# Altium PCB carrier_bak.PcbDoc (part 3 of 5) (continued)
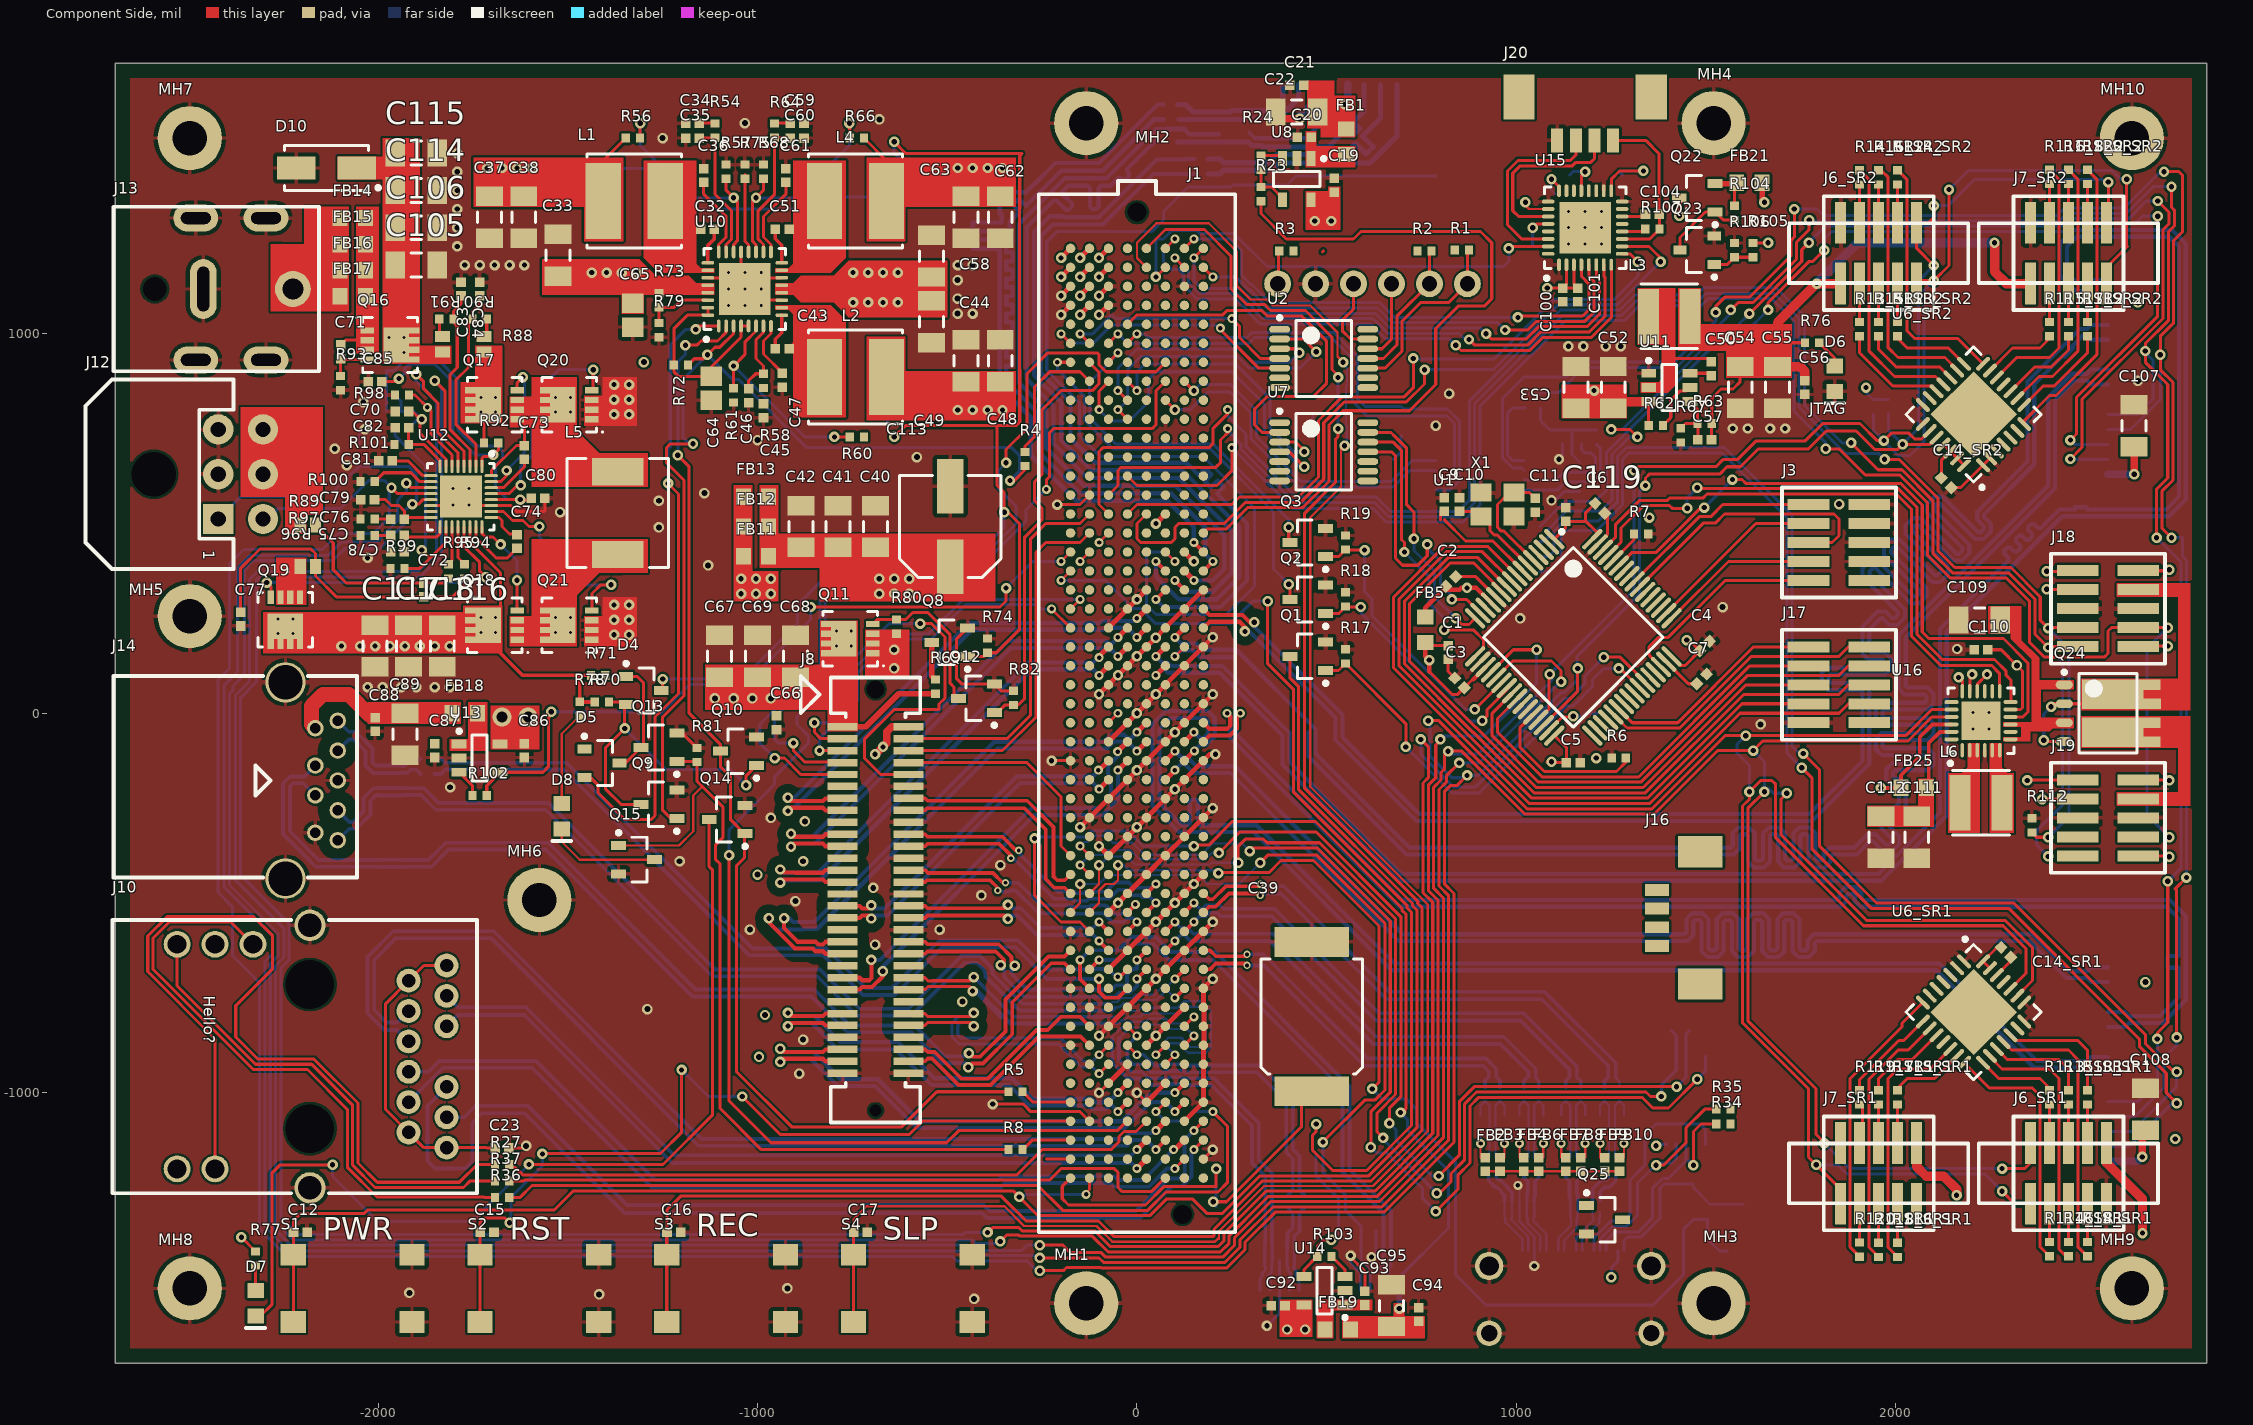
[diagram p0: Component Side view]
## Nets (pads, with @x,y where several pads share a name; then routed paths per layer and width w, separated by ;. In a path a pad name is that pad's centre, name@x,y a point inside that pad or via, vN(x,y) a via of type N, cw(c..) or ccw(c..) an arc to the next point about the centre after c; other vN are vias at no path point) (continued)
MDI0_N: J1.E49 J10.10 | length 2034.6
  Component Side w13.4: v2(-0.22,-1199.78) 0.22,-1199.78 J1.E49@25,-1175
  Solder Side w10: J10.10@-1819.53,-824.79 -1790.03,-795.29 -1614.71,-795.29 -1224.5,-1185.5 -14.5,-1185.5 v2(-0.22,-1199.78)
MDI0_P: J1.E48 J10.11 | length 2035
  Component Side w13.4: v2(0,-1150) J1.E48@25,-1125
  Solder Side w10: J10.11@-1819.53,-744.79 -1789.73,-774.59 -1609.96,-774.59 -1219.74,-1164.8 -14.8,-1164.8 v2(0,-1150)
MDI1_N: J1.F48 J10.5 | length 2611
  Component Side w10: v2(49.78,-1149.78) 50.22,-1149.78 J1.F48@75,-1125
  Solder Side w10: J10.5@-1919.53,-784.79 -1949.53,-814.79 -1977.46,-814.79 -2010,-782.24 -2010,-650 -1952.73,-592.73 -1702.73,-592.73 -1155.46,-1140 -25.75,-1140 -10.47,-1124.72 24.72,-1124.72 v2(49.78,-1149.78)
MDI1_P: J1.F47 J10.4 | length 2664
  Component Side w14: v2(50,-1100) J1.F47@75,-1075
  Solder Side w10: J10.4@-1919.53,-864.79 -1949.53,-834.79 -1982.91,-834.79 -2028,-789.7 -2028,-642.54 -1960.18,-574.73 -1695.27,-574.73 -1148,-1122 -33.21,-1122 -17.93,-1106.72 43.28,-1106.72 v2(50,-1100)
MDI2_N: J1.G49 J10.2 | length 2252.3
  Component Side w8: v2(100,-1200) J1.G49@125,-1175
  Solder Side w10: J10.2@-1919.53,-1024.79 -1919.53,-1024.69 -1828.98,-934.14 -1594.14,-934.14 -1278.28,-1250 -360,-1250 -348,-1238 -69.46,-1238 -59.46,-1248 31.53,-1248 79.53,-1200 v2(100,-1200)
MDI2_P: J1.G48 J10.3 | length 2238.2
  Component Side w14: v2(96.44,-1150) 100,-1150 J1.G48@125,-1125
  Solder Side w10: J10.3@-1919.53,-944.79 -1867.2,-944.79 -1838.56,-916.14 -1583.86,-916.14 -1270,-1230 -365.46,-1230 -355.46,-1220 -60,-1220 -50,-1230 16.44,-1230 v2(96.44,-1150)
MDI3_N: J1.H48 J10.9 | length 2626.9
  Component Side w8: v2(150,-1150) J1.H48@175,-1125
  Solder Side w10: J10.9@-1819.53,-984.79 -1870,-1035.26 -1870,-1180 -1850,-1200 -1770.87,-1200 -1751.97,-1181.1 -1751.97,-1079.42 -1726.69,-1054.14 -1614.14,-1054.14 -1350.97,-1317.31 -408.14,-1317.31 -395.46,-1330 8.58,-1330 92.3,-1246.28 119.17,-1246.28 143.85,-1221.6 143.85,-1156.15 v2(150,-1150)
MDI3_P: J1.H47 J10.8 | length 2272.1
  Component Side w8: v2(150,-1100) J1.H47@175,-1075
  Solder Side w10: J10.8@-1819.53,-1064.79 -1773.07,-1064.79 -1742.43,-1034.14 -1605.86,-1034.14 -1344.14,-1295.86 -404.14,-1295.86 -388,-1312 -2.94,-1312 82.78,-1226.28 110.89,-1226.28 125.85,-1211.31 125.85,-1160.94 125.19,-1160.28 125.19,-1124.81 v2(150,-1100)
NetC2_1: C2.1 FB5.2 U1.13 | length 234.8
  Component Side w12: FB5.2@760,253.46 760,277.79 807.98,325.78 850,325.78 854.4,330.18 v1(869.82,330.18) 894.54,330.18 U1.13@932.86,291.87
NetC7_1: C7.1 U1.47 | length 104.5
  Component Side w8: U1.47@1394.98,135.97 1453.21,77.75 C7.1@1475.38,77.75
NetC8_1: C8.1 U1.31 | length 144.9
  Component Side w8: U1.31@1085.97,-44.98 1121.11,-9.84 1147.64,-9.84 v1(1149.61,-7.87)
  Solder Side w8: v1(1149.61,-7.87) 1173.23,-7.87 1181.1,0 C8.1@1212.2,0
NetC9_1: C9.1 U1.7 | length 284
  Component Side w8: 800,510 C9.1@800,531.89 ; 810,510 866,454 937.76,454 U1.7@1016.37,375.38
NetC10_1: C10.1 U1.6 X1.1 | length 239.1
  Component Side w8: C10.1@850,531.89 893.31,531.89 X1.1@906.69,518.5 930,495.2 930,481.56 941.56,470 949.8,470 U1.6@1024.49,395.3
NetC11_1: C11.1 U1.5 X1.3 | length 309.5
  Component Side w8: U1.5@1044.21,403.22 967.44,480 960,480 950,490 950,550 981.5,581.5 X1.3@993.31,581.5 1034.72,581.5 C11.1@1050,566.22
NetC12_2: C12.2 J1.B50 Q1.D S1.1 | length 5032.5
  Component Side w8: S1.1@-2223.43,-1604.33 S1.1@-2223.43,-1427.17 -2223.43,-1368.7 C12.2@-2222.83,-1368.11 -2222.83,-1337.01 -2204.72,-1318.9 -2037.4,-1318.9 -2027.56,-1309.06 -1535.43,-1309.06 -1484.92,-1258.54 -326.11,-1258.54 v1(-310,-1274.65) -260.65,-1324 33.88,-1324 78.35,-1279.53 145.67,-1279.53 185.04,-1318.9 224.33,-1318.9 324.27,-1218.96 611.06,-1218.96 737.54,-1092.48 737.54,-518.75 726,-507.21 726,-501.38 426,-201.38 426,70.06 402.76,93.31 Q1.D@402.76,150 ; v2(-133.86,-1267.72) -137.72,-1267.72 -125,-1255 J1.B50@-125,-1225
  Solder Side w8: v1(-310,-1274.65) -304.65,-1280 -292.36,-1267.72 v2(-133.86,-1267.72)
NetC15_2: C15.2 J1.A47 S2.1 | length 2231.7
  Component Side w8: S2.1@-1731.3,-1604.33 S2.1@-1731.3,-1427.17 C15.2@-1731.3,-1368.11 ; C15.2@-1730.71,-1368.11 -1730.71,-1340.71 -1720.71,-1330.71 -1665.35,-1330.71 v1(-1653.54,-1342.52) ; v1(-1566.93,-1161.42) -1565.51,-1160 -1255.46,-1160 -1200,-1104.54 v1(-1200,-940) ; v1(-1040,-1010) -940,-1110 -600,-1110 -565,-1075 J1.A47@-175,-1075
  Solder Side w8: v1(-1653.54,-1342.52) -1649.61,-1338.58 -1649.61,-1275.59 -1566.93,-1192.91 v1(-1566.93,-1161.42) ; v1(-1200,-940) -1130,-1010 v1(-1040,-1010)
NetC16_2: C16.2 J1.E1 S3.1 | length 5411.1
  Component Side w8: S3.1@-1239.17,-1604.33 S3.1@-1239.17,-1427.17 C16.2@-1239.17,-1368.11 ; C16.2@-1238.58,-1368.11 -1238.58,-1308.58 -1202.54,-1272.54 -357.46,-1272.54 -292,-1338 -101.16,-1338 -59.73,-1379.43 200.57,-1379.43 202.97,-1377.03 202.97,-1360.06 330.07,-1232.96 616.86,-1232.96 751.54,-1098.28 751.54,-512.95 740,-501.41 740,-495.58 440.94,-196.52 440.94,525.94 523.46,608.46 523.46,722.45 530,728.98 v1(530,750) ; J1.E1@25,1225 75,1275 177.76,1275 248.03,1204.72 248.03,1118.11 289.15,1076.99 336.39,1076.99 352.14,1061.24 443.99,1061.24 514,991.23 514,906 530,890 v1(530,885)
  Solder Side w8: v1(530,750) v1(530,885)
NetC17_2: C17.2 J1.E2 S4.1 | length 5064
  Component Side w6: C17.2@-746.46,-1368.11 -746.46,-1333.07 -712.6,-1299.21 -349.17,-1299.21 -297.38,-1351 -106.55,-1351 -65.11,-1392.43 205.95,-1392.43 213.14,-1385.24 215.97,-1385.24 215.97,-1365.44 335.45,-1245.96 622.25,-1245.96 766.54,-1101.67 766.54,-503.74 456.69,-193.89 456.69,515.75 538,597.06 538,703.35 539.37,704.72 v1(547.24,704.72) ; J1.E2@25,1175 0,1200 0,1240.16 51.18,1291.34 188.98,1291.34 263.78,1216.54 263.78,1125.98 299.21,1090.55 342.52,1090.55 358.27,1074.8 456.69,1074.8 528.34,1003.16 528.34,940.17 v1(543.31,925.2)
  Component Side w8: S4.1@-747.05,-1604.33 S4.1@-747.05,-1427.17 -747.05,-1368.7 C17.2@-746.46,-1368.11
  Solder Side w6: v1(543.31,925.2) 537.96,925.2 553.71,909.45 553.71,864.73 551.18,862.2 551.18,761.03 552.78,759.44 552.78,710.26 v1(547.24,704.72)
NetC20_2: C20.2 FB1.1 U8.1
NetC21_2: C21.2 C22.2 FB1.2 J9.4 | length 135.5
  Component Side w8: C22.2@476.38,1584.65 496.06,1604.33 v1(547.24,1604.33)
  Solder Side w20: v1(547.24,1604.33) 555.31,1612.4 J9.4@555.31,1657.48
NetC23_2: C23.2 J10.1 J10.6 J10.7 J10.12 | length 811.8
  Component Side w8: J10.12@-1819.53,-664.79 -1879.53,-664.79 J10.6@-1919.53,-704.79 -1980,-765.26 -1980,-1044.31 J10.1@-1919.53,-1104.79 -1879.53,-1144.79 J10.7@-1819.53,-1144.79 -1714.08,-1144.79 -1713.2,-1145.67 C23.2@-1691.34,-1145.67
NetC32_1: C32.1 L1.1 U10.26 | length 9.3
  Component Side w10: L1.1@-1243.11,1341.14 L1.1@-1243.11,1350.39
NetC32_2: C32.2 U10.25 | length 95.7
  Component Side w10: U10.25@-1130.91,1187.01 -1130.91,1233.27 -1113.78,1250.39 C32.2@-1113.78,1275.59
NetC34_2: C34.2 R54.1 | length 41.4
  Component Side w8: C34.2@-1153.15,1555.12 -1113.19,1555.12 R54.1@-1112.2,1554.13
NetC35_2: C35.2 R54.2 U10.23 | length 366.4
  Component Side w8: C35.2@-1153.15,1515.75 -1113.19,1515.75 R54.2@-1112.2,1516.73 -1112.2,1368.11 -1068.68,1324.58 -1068.68,1249.12 -1082.68,1235.12 U10.23@-1082.68,1215.55
NetC36_2: C36.2 U10.24 | length 216.3
  Component Side w8: C36.2@-1141.73,1399.21 -1141.73,1368.11 -1082.68,1309.06 -1082.68,1254.92 -1102.36,1235.24 U10.24@-1102.36,1215.55
NetC43_1: C43.1 L2.1 U10.10 | length 143.8
  Component Side w10: U10.10@-936.02,1068.9 -913.39,1068.9 -899.61,1055.12 -899.61,977.95 C43.1@-916.93,960.63
NetC43_2: C43.2 U10.9 | length 95.7
  Component Side w10: C43.2@-953.15,960.63 -953.15,985.83 -936.02,1002.95 U10.9@-936.02,1049.21
NetC45_2: C45.2 R58.1
NetC46_2: C46.2 R58.2 U10.7 | length 210.7
  Component Side w8: C46.2@-1023.62,854.72 -1023.62,875.98 -1004.92,894.69 R58.2@-984.25,894.69 -984.25,915.35 -1003.94,935.04 -1003.94,984.25 -984.25,1003.94 U10.7@-984.25,1020.67
NetC47_2: C47.2 U10.8 | length 153.5
  Component Side w8: U10.8@-964.57,1020.67 -964.57,1000.98 -984.25,981.3 -984.25,946.54 -935.04,897.32 C47.2@-935.04,895.67
NetC50_1: C50.1 L3.1 U11.2 | length 246.7
  Component Side w8: U11.2@1348.7,858.66 1350.67,856.69 1400.87,856.69 1402.83,858.66 1402.83,935.43 1503.62,935.43 C50.1@1513.07,925.98
NetC50_2: C50.2 U11.6 | length 58.7
  Component Side w8: U11.6@1456.97,896.06 1506.77,896.06 C50.2@1513.07,889.76
NetC51_1: C51.1 L4.1 U10.15
NetC51_2: C51.2 U10.16 | length 95.7
  Component Side w10: C51.2@-953.15,1275.59 -953.15,1250.39 -936.02,1233.27 U10.16@-936.02,1187.01
NetC57_2: C57.2 R63.1 R67.2 U11.4 | length 159.1
  Component Side w8: R67.2@1433.07,750.98 1445.87,763.78 R63.1@1477.36,763.78 ; U11.4@1456.97,821.26 1477.36,800.87 R63.1@1477.36,763.78 ; C57.2@1477.95,720.47 1477.95,763.19 R63.1@1477.36,763.78
NetC59_2: C59.2 R64.1 | length 41.4
  Component Side w8: R64.1@-954.72,1554.13 -953.74,1555.12 C59.2@-913.78,1555.12
NetC60_2: C60.2 R64.2 U10.18 | length 366.4
  Component Side w8: U10.18@-984.25,1215.55 -984.25,1235.12 -998.25,1249.12 -998.25,1324.58 -954.72,1368.11 R64.2@-954.72,1516.73 -914.76,1516.73 C60.2@-913.78,1515.75
NetC61_2: C61.2 U10.17 | length 216.3
  Component Side w8: U10.17@-964.57,1215.55 -964.57,1235.24 -984.25,1254.92 -984.25,1309.06 -925.2,1368.11 C61.2@-925.2,1399.21
NetC64_2: C64.2 R72.1 U10.4 U10.5 U10.31 U10.32 | length 526.3
  Component Side w8: U10.31@-1130.91,1068.9 U10.32@-1130.91,1049.21 -1185.04,1049.21 -1220.57,1013.69 R72.1@-1220.57,917.48 -1220.57,900.33 -1208.03,887.8 C64.2@-1122.05,887.8 -1122.05,912.4 -1043.31,991.14 U10.4@-1043.31,1020.67 U10.5@-1023.62,1020.67
NetC70_2: C70.2 R85.1 R86.1 R87.2 U12.7 | length 352.3
  Component Side w8: C70.2@-1918.9,795.28 -1909.06,795.28 v1@-1889.76,775.98 ; v1(-1885,775) -1888.78,775 v1@-1889.76,775.98 ; U12.7@-1820.87,650.59 -1820.87,669.41 -1874.12,722.66 -1874.24,722.66 -1889.76,738.19 v1@-1889.76,775.98
  Solder Side w8: R85.1@-1955.71,838.58 -1939.96,822.83 R87.2@-1939.96,795.28 -1918.31,795.28 -1905.28,795.28 v1(-1885,775) -1895.28,775 R86.1@-1918.31,751.97
NetC71_1: C71.1 Q16.G R93.2 | length 117.2
  Component Side w8: R93.2@-2098.43,888.78 C71.1@-2098.43,934.65 -2095.87,932.09 Q16.G@-2028.15,932.09
NetC72_1: C72.1 R89.S2 R95.2 | length 459.9
  Component Side w8: R89.S2@-2164.96,495.63 -2118.11,448.78 -2118.11,377.95 -2083.07,342.91 C72.1@-1879.92,342.91 -1827.36,342.91 R95.2@-1814.96,355.31
NetC72_2: C72.2 C77.1 R89.S1 R94.2 | length 844.4
  Component Side w8: C77.1@-2362.2,266.14 -2362.2,381.89 -2311.02,433.07 -2177.17,433.07 -2164.96,420.87 R89.S1@-2164.96,386.26 -2164.96,361.81 -2109.84,306.69 C72.2@-1879.92,306.69 -1803.54,306.69 -1771.65,338.58 R94.2@-1771.65,355.31
NetC73_1: C73.1 U12.30 | length 126.6
  Component Side w8: U12.30@-1701.77,594.49 -1669.29,594.49 -1614.17,649.61 C73.1@-1614.17,665.75
NetC74_1: C74.1 U12.25 | length 97.9
  Component Side w8: U12.25@-1701.77,515.75 -1681.1,515.75 -1673.23,507.87 -1673.23,492.13 -1653.54,472.44 -1640.75,472.44 C74.1@-1633.86,479.33
NetC75_1: C75.1 C78.1 U12.17 | length 158.6
  Component Side w8: C78.1@-1930.71,425.2 C75.1@-1930.71,465 ; C75.1@-1930.71,468.5 C75.1@-1930.71,465 ; U12.17@-1836.61,491.14 -1836.61,473.39 -1845,465 C75.1@-1930.71,465
NetC75_2: C75.2 R96.2 | length 41.9
  Component Side w8: R96.2@-2008.86,468.5 C75.2@-1966.93,468.5
NetC76_1: C76.1 C79.1 U12.16 | length 183.5
  Component Side w8: C79.1@-2009.45,562.99 -1980.31,562.99 -1964.57,547.24 -1944.88,547.24 -1930.71,533.07 C76.1@-1930.71,511.81 -1926.77,515.75 U12.16@-1861.22,515.75
NetC76_2: C76.2 R97.2 | length 41.9
  Component Side w8: R97.2@-2008.86,511.81 C76.2@-1966.93,511.81
NetC80_1: C80.1 R87.1 U12.28 | length 877.2
  Component Side w8: U12.28@-1701.77,562.99 v1(-1625,562.99) -1613.19,562.99 -1611.22,561.02
  Solder Side w8: R87.1@-1977.36,795.28 -1977.36,902.64 -1957.76,902.64 -1929.46,930.94 -1923.87,930.94 -1920.81,934 -1844.2,934 -1789.15,878.95 -1789.15,745.96 -1748.08,704.88 -1686.02,704.88 -1672.09,690.95 -1672.09,671.25 -1690,653.34 -1690,595.02 -1657.97,562.99 v1(-1625,562.99)
NetC81_2: C81.2 U12.9 | length 117.3
  Component Side w8: C81.2@-1962.2,665.35 -1921.26,665.35 -1881.89,625.98 U12.9@-1861.22,625.98
NetC82_2: C82.2 R101.2 U12.8 | length 158.7
  Component Side w8: C82.2@-1919.29,751.97 R101.2@-1919.29,708.66 -1879.92,708.66 -1836.61,665.35 U12.8@-1836.61,650.59
NetC83_2: C83.2 R90.1 U12.3 | length 491
  Component Side w8: C83.2@-1781.5,1100 -1781.5,1078.74 -1801.18,1059.06 R90.1@-1801.18,1039.37 -1801.18,1029.53 -1791.34,1019.68 -1791.34,911.42 -1810,892.76 -1810,747.01 -1757.87,694.88 U12.3@-1757.87,650.59
NetC84_2: C84.2 R91.1 U12.2 | length 497.9
  Component Side w8: U12.2@-1742.13,650.59 -1742.13,708.66 -1795,761.54 -1795,878.23 -1761.81,911.42 -1761.81,1029.53 -1751.97,1039.37 R91.1@-1750.98,1039.37 -1750.98,1060.04 -1732.28,1078.74 C84.2@-1732.28,1100
NetC85_2: C85.2 R92.1 U12.1 | length 589.6
  Component Side w8: C85.2@-1989.76,874.02 -1952.76,874.02 v1(-1944.88,881.89) ; U12.1@-1726.38,650.59 -1726.38,671.26 -1720.47,677.17 -1699.8,677.17 v1(-1695.87,681.1) -1683.07,693.9 R92.1@-1683.07,712.6
  Solder Side w8: v1(-1944.88,881.89) -1929.13,897.64 -1929.13,909.45 -1921.64,916.94 -1918.07,916.94 -1915.01,920 -1850,920 -1803.15,873.15 -1803.15,740.16 -1743.11,680.12 -1696.85,680.12 v1(-1695.87,681.1)
NetC87_2: C87.2 FB18.1 U13.1
NetC88_2: C88.2 C89.2 FB18.2 J14.1 | length 263.5
  Component Side w39.37: J14.1@-2165.35,-39.37 -2175.2,-29.53 -2175.2,19.68 -2145.67,49.21 -2076.77,49.21 -2021.65,-5.91 C88.2@-2009.84,-5.91
NetC93_2: C93.2 FB19.1 U14.1
NetC94_2: C94.2 C95.2 FB19.2 J1.B37 J15.1 | length 2628
  Component Side w8: v1(-270,-330) -270,-480 -200,-550 -150,-550 J1.B37@-125,-575 ; v1(150,-350) 152.5,-347.5 188.92,-347.5 250.98,-285.43 470.46,-285.43 698,-512.98 698,-518.8 709.54,-530.35 709.54,-1040.46 706.69,-1043.31 706.69,-1052.17 v1(694.88,-1052.17)
  Solder Side w8: v1(-270,-330) -266.22,-326.22 -137.24,-326.22 -121.06,-310.04 -24.61,-310.04 15.35,-350 v1(150,-350) ; J15.1@690.94,-1520.67 690.94,-1486.22 820.87,-1356.3 820.87,-1205.71 712.6,-1097.44 712.6,-1069.88 v1(694.88,-1052.17)
  Solder Side w15: v1(690.94,-1569.06) J15.1@690.94,-1520.67
NetC98_2: C98.2 C99.2 Q22.D U15.17 U15.28 | length 866
  Component Side w8: v1(1043.31,1279.53) 1053.15,1289.37 U15.28@1083.66,1289.37 ; U15.17@1250,1376.97 1250,1407.48 1271.65,1429.13 v1(1334.65,1429.13)
  Component Side w15: v1(1429.13,1311.02) Q22.D@1429.13,1358.27
  Power_layer1 w15: v1(1043.31,1279.53) 1122.05,1358.27 1334.65,1358.27 ; v1(1334.65,1429.13) 1334.65,1358.27 ; v1(1429.13,1311.02) 1358.27,1311.02 1334.65,1334.65 1334.65,1358.27
  Solder Side w8: C98.2@1041.89,1230 1041.89,1278.11 v1(1043.31,1279.53) ; C99.2@1280,1418.11 1270.94,1427.17 1272.91,1429.13 v1(1334.65,1429.13)
NetC104_1: C104.1 U15.14 | length 60.1
  Component Side w8: U15.14@1278.54,1309.06 1335.83,1309.06 C104.1@1337.8,1311.02
NetC104_2: C104.2 J20.1 R107.1 U15.11 | length 444
  Component Side w8: J20.1@1254.92,1509.84 1340.55,1509.84 1376.38,1474.02 C104.2@1376.38,1314.96 1376.97,1314.37 R107.1@1376.97,1275.59 1351.38,1250 U15.11@1278.54,1250
NetC109_2: C109.2 Q24.E1 Q24.E2 U16.7 U16.9
NetC111_2: C111.2 C112.2 FB25.1 U16.23 | length 192.8
  Component Side w10: FB25.1@2080.71,-196.85 2086.61,-190.94 2086.61,-78.74 2116.14,-49.21 U16.23@2146.65,-49.21
NetD1_1: D1.1 J11.14 U9.10 | length 596
  Solder Side w8: J11.14@1204.72,-1415.35 1204.72,-1382.09 1248.23,-1338.58 1283.46,-1338.58 1299.21,-1322.83 D1.1@1299.21,-1302.56 D1.1@1299.21,-1272.24 1299.21,-1230.31 1338.58,-1190.94 1338.58,-1112.2 1368.11,-1082.68 1484.25,-1082.68 1498.03,-1096.46 U9.10@1498.03,-1135.83
NetD1_2: D1.2 J11.15 R35.1 U9.13 | length 649.9
  Component Side w8: v1(1368.11,-1190.94) 1387.8,-1190.94 1446.85,-1131.89 1446.85,-1092.52 1496.06,-1043.31 R35.1@1526.57,-1043.31
  Solder Side w8: J11.15@1220.47,-1415.35 1220.47,-1386.14 1254.03,-1352.58 1289.26,-1352.58 1318.9,-1322.95 D1.2@1318.9,-1302.56 D1.2@1318.9,-1272.24 1318.9,-1238.19 v1@1368.11,-1188.98 ; v1(1368.11,-1190.94) v1@1368.11,-1188.98 ; U9.13@1421.26,-1135.83 1421.26,-1173.23 1409.45,-1185.04 1372.05,-1185.04 v1@1368.11,-1188.98
NetD1_4: D1.4 J11.16 R34.1 U9.12 | length 594
  Component Side w8: v1(1466.53,-1190.94) 1466.53,-1102.37 1486.22,-1082.68 R34.1@1526.57,-1082.68
  Solder Side w8: J11.16@1236.22,-1415.35 1236.22,-1390.19 1259.83,-1366.58 1322.39,-1366.58 1358.27,-1330.71 D1.4@1358.27,-1302.56 D1.4@1358.27,-1272.24 1358.27,-1251.97 1383.64,-1226.6 1399.5,-1226.6 1446.85,-1179.25 ; U9.12@1446.85,-1135.83 1446.85,-1179.25 ; v1(1466.53,-1190.94) 1454.84,-1179.25 1446.85,-1179.25
NetD1_5: D1.5 J11.19 Q4.G R30.1 | length 476.8
  Solder Side w6: Q4.G@1466.54,-1240.16 1466.54,-1250 1510.83,-1294.29 R30.1@1598.43,-1294.29
  Solder Side w8: J11.19@1283.46,-1415.35 1283.46,-1389.76 1292.65,-1380.58 1328.19,-1380.58 1377.95,-1330.82 D1.5@1377.95,-1302.56 D1.5@1377.95,-1272.24 1377.95,-1252.08 1389.44,-1240.6 1466.09,-1240.6 Q4.G@1466.54,-1240.16
NetD4_A1: D4.A1 D5.C Q13.D R71.2 | length 300
  Component Side w8: D5.C@-1363.74,-131.5 -1348.74,-131.5 Q13.D@-1307.24,-90 -1300,-82.76 -1300,79.69 -1317.72,97.4 D4.A1@-1346.26,97.4
NetD4_A2: D4.A2 Q9.D Q10.G R70.2 | length 848.3
  Component Side w8: R70.2@-1391.3,30 -1353.66,30 D4.A2@-1346.26,22.6 -1350,18.86 v1(-1350,-40) -1400,-90 -1400,-200 -1360,-240 Q9.D@-1307.24,-240 ; v1(-1030,-190) -1030,-164.65 Q10.G@-1002.76,-137.4
  Solder Side w8: v1(-1350,-40) -1242.36,-147.64 -1072.36,-147.64 v1(-1030,-190)
NetD5_A2: D5.A2 U10.1 | length 1684.6
  Component Side w8: D5.A2@-1456.26,-168.9 -1441.1,-168.9 -1420,-190 -1420,-210 -1350,-280 -1280,-280 -1270,-270 -1270,-10 -1208,52 -1208,578 v1(-1235.74,605.74) ; v1(-1162.47,1011.65) -1162.47,1018.77 -1164.37,1020.67 U10.1@-1102.36,1020.67
  Solder Side w8: v1(-1235.74,605.74) -1235.74,695.74 -1230,701.48 -1230,970.57 -1188.91,1011.65 v1(-1162.47,1011.65)
NetD6_A: D6.A R76.1 | length 77.7
  Component Side w8: R76.1@1798.23,976.38 1838.58,936.02 D6.A@1838.58,915.35
NetD7_A: D7.A R77.1 | length 65.9
  Component Side w8: D7.A@-2322.83,-1521.65 R77.1@-2322.83,-1455.71
NetD7_C: D7.C Q14.D | length 2551.3
  Component Side w8: D7.C@-2322.83,-1588.58 -2309.92,-1588.58 -2280,-1558.66 -2280,-1211.91 -2258.09,-1190 v1(-2120,-1190) ; v1(-1602.36,-1188.98) -1248.98,-1188.98 -1118.11,-1058.11 -1118.11,-413.39 -1127.24,-404.25 Q14.D@-1127.24,-280
  Solder Side w8: v1(-2120,-1190) -2120,-1220 -2000,-1340 -1753.39,-1340 v1(-1602.36,-1188.98)
NetD8_A: D8.A R78.1 | length 250.9
  Component Side w6: D8.A@-1515.75,-238.19 -1515.75,-54.13 R78.1@-1468.5,-6.89
NetD8_C: D8.C Q15.D | length 297.1
  Component Side w6: D8.C@-1515.75,-305.12 -1515.75,-338.58 -1468.5,-385.83 Q15.D@-1271.65,-385.83
NetD13_5: D13.5 J1.A36 J15.4 | length 2116.2
  Component Side w6: J1.A36@-175,-525 -150,-500 v1(-150,-450)
  Component Side w8: v1(324.8,-393.7) 344.5,-374 474,-374 653.54,-553.54 653.54,-993.03 627.87,-1018.7 601.3,-1018.7 v1(490,-1130)
  Solder Side w6: v1(-150,-450) -100,-450 -76.18,-426.18 162.85,-426.18 186.47,-449.8 268.7,-449.8 v1(324.8,-393.7)
  Solder Side w8: v1(490,-1130) 490,-1210 550,-1270 550,-1311.02 590.55,-1351.57 D13.5@590.55,-1362.8 D13.5@590.55,-1393.11 590.55,-1440.94 614.17,-1464.57 J15.4@614.17,-1520.67
NetD14_4: D14.4 J1.F17 J9.SW1 | length 2985.2
  Component Side w8: J1.F17@75,425 v2(100,400)
  Solder Side w8: v2(100,400) 75,425 35,425 25,415 25,285 50,260 235,260 310,335 310,541 174,677 -97,677 -151.78,731.78 -151.78,818.15 -237.75,904.12 -237.75,1242.25 -210,1270 40,1270 70,1300 70,1321.51 135.45,1386.95 247.78,1386.95 D14.4@252.56,1391.73 D14.4@282.87,1391.73 395.67,1391.73 419.29,1415.35 J9.SW1@788.98,1415.35
NetFB2_1: FB2.1 FB3.1 FB4.1 FB6.1 FB7.1 FB8.1 FB9.1 FB10.1 Q25.D | length 354.3
  Component Side w6: FB2.1@917.32,-1207.09 FB3.1@956.69,-1207.09 FB4.1@1019.68,-1207.09 FB6.1@1059.06,-1207.09 FB7.1@1129.92,-1207.09 FB8.1@1169.29,-1207.09 FB9.1@1232.28,-1207.09 FB10.1@1271.65,-1207.09
NetFB2_2: FB2.2 R46.1 | length 79
  Component Side w6: v6(905.51,-1133.86) 905.51,-1170.87 FB2.2@909.45,-1174.8
  Solder Side w6: v6(905.51,-1133.86) R46.1@905.51,-1097.44
NetFB3_2: FB3.2 R47.1 | length 79
  Component Side w6: FB3.2@964.57,-1174.8 968.5,-1170.87 v6(968.5,-1133.86)
  Solder Side w6: v6(968.5,-1133.86) R47.1@968.5,-1097.44
NetFB4_2: FB4.2 R48.1 | length 79
  Component Side w6: v6(1007.87,-1133.86) 1007.87,-1170.87 FB4.2@1011.81,-1174.8
  Solder Side w6: v6(1007.87,-1133.86) R48.1@1007.87,-1097.44
NetFB6_2: FB6.2 R49.1 | length 79
  Component Side w6: FB6.2@1066.93,-1174.8 1070.87,-1170.87 v6(1070.87,-1133.86)
  Solder Side w6: v6(1070.87,-1133.86) R49.1@1070.87,-1097.44
NetFB7_2: FB7.2 R50.1 | length 79
  Component Side w6: v6(1118.11,-1133.86) 1118.11,-1170.87 FB7.2@1122.05,-1174.8
  Solder Side w6: v6(1118.11,-1133.86) R50.1@1118.11,-1097.44
NetFB8_2: FB8.2 R51.1 | length 79
  Component Side w6: FB8.2@1177.17,-1174.8 1181.1,-1170.87 v6(1181.1,-1133.86)
  Solder Side w6: v6(1181.1,-1133.86) R51.1@1181.1,-1097.44
NetFB9_2: FB9.2 R52.1 | length 79
  Component Side w6: v6(1220.47,-1133.86) 1220.47,-1170.87 FB9.2@1224.41,-1174.8
  Solder Side w6: v6(1220.47,-1133.86) R52.1@1220.47,-1097.44
NetFB10_2: FB10.2 R53.1 | length 79
  Component Side w6: FB10.2@1279.53,-1174.8 1283.46,-1170.87 v6(1283.46,-1133.86)
  Solder Side w6: v6(1283.46,-1133.86) R53.1@1283.46,-1097.44
NetFB21_2: FB21.2 Q22.S R104.2 | length 117.6
  Component Side w8: R104.2@1574.8,1337.6 1574.8,1391.73 1578.74,1395.67 FB21.2@1580.71,1397.64
  Component Side w15: Q22.S@1523.62,1395.67 FB21.2@1578.74,1395.67
NetJ1_A6: J1.A6 U2.5 | length 691.1
  Component Side w8: v2(-200,1000) J1.A6@-175,975 ; v2(220,1015.16) 220,1010.32 320.87,909.45 U2.5@375.98,909.45
  Solder Side w8: v2(-200,1000) -176.22,976.22 -113.78,976.22 -66.22,1023.78 206.22,1023.78 214.84,1015.16 v2(220,1015.16)
NetJ1_A7: J1.A7 Q2.D | length 1068.1
  Component Side w8: v2(-210,925) J1.A7@-175,925 ; v1(400,340) 402.76,337.24 Q2.D@402.76,300
  Solder Side w8: v2(-210,925) -205,920 -210,915 -210,906.57 -137.78,834.35 -137.78,771.64 -62.14,696 194.2,696 360,530.2 360,380 v1(400,340)
NetJ1_A17: J1.A17 R102.1 U13.4 | length 1941.3
  Component Side w8: R102.1@-1713.58,-216.54 -1713.58,-190.94 U13.4@-1678.15,-155.51 -1565.51,-155.51 -1551.18,-141.18 -1551.18,-11.81 -1543.31,-3.94 v1(-1543.31,3.94) ; v1(-860,280) -361,280 -345,296 v1(-345,330) ; v2(-200,400) J1.A17@-175,425
  Solder Side w8: v1(-1543.31,3.94) -1258.94,3.94 -1255,0 -1179,76 -1032.62,76 -860,248.62 v1(-860,280) ; v1(-345,330) -275,400 v2(-200,400)
NetJ1_A18: J1.A18 R103.1 U14.4 | length 3079.1
  Component Side w8: v2(-200,350) J1.A18@-175,375 ; v1(344.49,295.28) 344.49,130.72 412,63.21 412,-207.18 712,-507.18 712,-513.01 723.54,-524.55 723.54,-1086.68 605.27,-1204.96 515.98,-1204.96 462.6,-1151.57 462.6,-1112.2 472.44,-1102.36 v1(472.44,-1082.68) ; U14.4@439.96,-1484.25 439.96,-1466.54 R103.1@475.39,-1431.1 475.39,-1404.53 492.13,-1387.8 v1(511.81,-1387.8)
  Solder Side w8: v2(-200,350) -83.63,350 -9.85,276.22 9.21,276.22 49.21,236.22 246.06,236.22 305.12,295.28 v1(344.49,295.28) ; v1(472.44,-1082.68) 472.44,-1102.36 462.6,-1112.2 462.6,-1151.57 472.44,-1161.42 472.44,-1220.47 531.5,-1279.53 531.5,-1368.11 v1(511.81,-1387.8)
NetJ1_A20: J1.A20 J8.3 | length 1023.3
  Component Side w8: v1(-850,-25) -850,-50 -833.07,-66.93 J8.3@-775.59,-66.93 ; J1.A20@-175,275 v2(-150,300)
  Solder Side w8: v1(-850,-25) -815,-25 -750,40 -750,112.46 -705.11,157.35 -705.11,164.89 -660.73,209.27 -548.72,209.27 -457.99,300 v2(-150,300)
NetJ1_A21: J1.A21 J8.5 | length 977.6
  Component Side w8: v1(-836.61,-98.43) J8.5@-775.59,-98.43 ; v2(-225,275) J1.A21@-175,225
  Solder Side w8: v1(-836.61,-98.43) -836.61,-66.41 -829.26,-59.06 -736,34.2 -736,106.66 -691.11,151.55 -691.11,158.89 -654.73,195.27 -542.92,195.27 -452.19,286 -265,286 -256.5,277.5 -259,275 v2(-225,275)
NetJ1_A33: J1.A33 J8.8 | length 605
  Component Side w8: J8.8@-602.36,-129.92 -290.08,-129.92 -200,-220 -200,-350 J1.A33@-175,-375
NetJ1_A46: J1.A46 R5.1 | length 137.7
  Component Side w8: R5.1@-301.3,-997.46 -273.76,-1025 J1.A46@-175,-1025
NetJ1_A48: J1.A48 R8.1 | length 136.7
  Component Side w8: R8.1@-301.3,-1150 -276.3,-1125 J1.A48@-175,-1125
NetJ1_A49: J1.A49 | length 64
  Component Side w8: -239,-1175 J1.A49@-175,-1175
NetJ1_B6: J1.B6 U2.4 | length 647.2
  Component Side w8: v2(-150,1000) J1.B6@-125,975 ; v2(250,1040) 270,1020 270,990 324.96,935.04 U2.4@375.98,935.04
  Solder Side w8: v2(-150,1000) -116.37,1000 -66.37,1050 -56.37,1040 v2(250,1040)
NetJ1_B7: J1.B7 Q12.G R82.2 | length 1137.4
  Component Side w8: Q12.G@-375.98,1.97 -368.11,1.97 -348.61,21.46 -324.99,21.46 R82.2@-324.8,21.65 -312.99,21.65 -296,38.65 -296,464 -250.16,509.84 -250.16,540.16 -270,560 -270,610 -250.16,629.84 -250.16,799.84 -200,850 -118.18,850 -100,868.18 -100,898.38 -125,923.38 J1.B7@-125,925
NetJ1_B8: J1.B8 R4.1 | length 353.6
  Component Side w8: R4.1@-295,688.7 -295,703.7 -270,728.7 -270,860 -230,900 -150,900 J1.B8@-125,875
NetJ1_B15: J1.B15 J8.4 | length 994.7
  Component Side w8: J8.4@-602.36,-66.93 -342.52,-66.93 -280,-4.41 -280,460.2 -240.2,500 -150,500 J1.B15@-125,525
NetJ1_B16: J1.B16 J8.6 | length 969.2
  Component Side w8: J8.6@-602.36,-98.43 -354.22,-98.43 -266,-10.21 -266,424 -240,450 -150,450 J1.B16@-125,475
NetJ1_B17: J1.B17 | length 35.4
  Component Side w8: v2(-150,400) J1.B17@-125,425